# Allegro board OPT8241-CDK-EVM SB REV2P0V1.brd (continued)
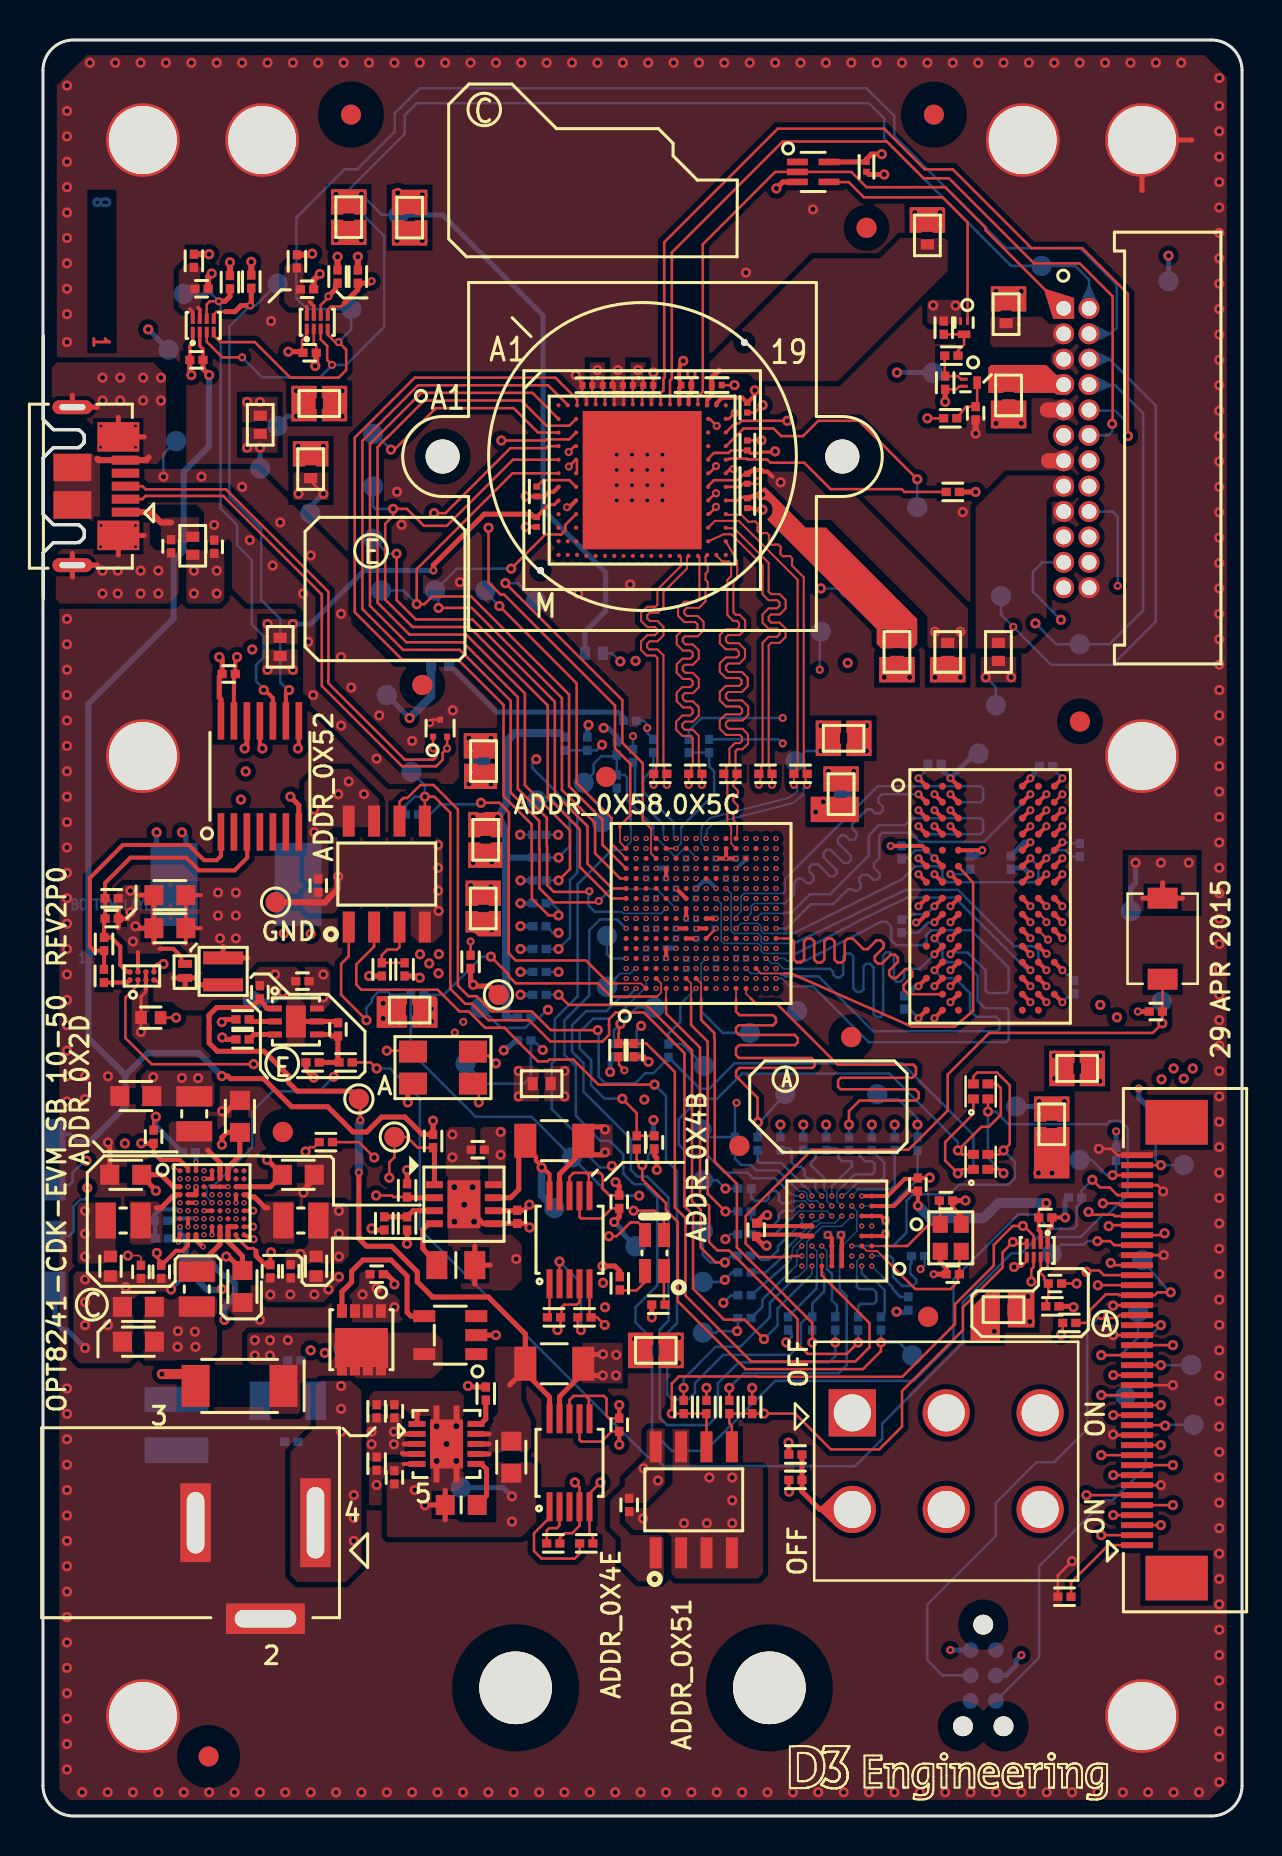
[diagram p0: board, top side]
## Routing (per net, layer and track width the routed paths; a pad name or vN(x,y) marks a point on that pad's centre or on a via; arc(x,y) is an arc through that point) (continued)
DDR2_DATA_15: length 18.9
  TOP w0.203: U7.C2 v2(44.61,50.29)
  SIG1 w0.082: v3(35.18,45.38) 34.93,45.63 34.93,45.99 35.08,46.13 37.12,46.13
  SIG1 w0.114: 37.12,46.13 38.8,46.13 43.35,50.69 44.01,50.69 44.22,50.89 44.22,51.26 44.45,51.49 46.8,51.49 46.97,51.31 46.97,50.86 46.8,50.68 45.57,50.68 45.57,50.69 45,50.69 v2(44.61,50.29)
DDR2_DM_0: length 19.3
  TOP w0.082: U8.P3 35.93,42.13 37.09,42.13
  TOP w0.127: U7.F3 46.54,46.67 46.54,40.27 45.62,39.47 45.49,39.47 43.48,39.47 37.43,42.13 37.09,42.13
DDR2_DM_1: length 19
  TOP w0.203: U7.B3 v2(45.41,51.09)
  BOTTOM w0.082: v3(34.68,44.88) 34.68,45 34.93,45.25 34.93,45.99 35.08,46.13 37.03,46.13 37.13,46.24 37.13,46.85 37.39,47.11
  BOTTOM w0.127: v2(45.41,51.09) 45.81,50.69 46.91,50.69 47.04,50.82 47.04,51.37 46.91,51.49 41.77,51.49 37.39,47.11
DDR2_DQS_0: length 18.8
  TOP w0.203: U7.F7 v2(49.41,47.89)
  BOTTOM w0.082: 37.09,44.13 36.08,44.13 35.93,44.28 35.93,44.49 35.78,44.63 34.93,44.63 v3(34.68,44.38)
  BOTTOM w0.127: 37.09,44.13 37.54,44.13 43.01,46.86 43.64,47.49 44.77,47.49 45.01,47.26 45.01,46.93 45.24,46.69 49.57,46.69 49.59,46.71 49.65,46.71 49.81,46.86 49.81,47.49 v2(49.41,47.89)
DDR2_DQS_1: length 18.6
  TOP w0.203: U7.B7 v2(49.41,51.09)
  BOTTOM w0.082: v3(36.68,44.38) 36.8,44.38
  BOTTOM w0.127: v2(49.41,51.09) 49.41,51.04 47.09,48.71 43.87,48.71 43.41,49.17 41.99,49.17 41.86,49.03 41.86,47.92 41.58,47.64 41.58,47.43 41.87,47.13 41.87,46.95 41.74,46.82 41.53,46.82 41.29,47.07 41.01,47.07 40.86,46.92 40.86,46.71 40.93,46.64 40.93,46.43 40.78,46.28 40.57,46.28 40.5,46.35 40.29,46.35 39.53,45.59 38.42,45.59 37.21,44.38 36.8,44.38
DEMOD_CLK: length 38.6
  TOP w0.082: 28.71,48.35 29.07,48 29.07,48 U8.A14
  TOP w0.127: v1(22.84,60.51) 26.71,56.64 26.71,51.65 28.46,49.9 28.46,48.61 28.71,48.35 ; U3.C19 34.62,69.64 34.83,69.64 34.96,69.77 v1(37.25,69.77)
  SIG1 w0.114: v1(22.84,60.51) 24.02,60.51 27.94,64.43 30.92,64.43 32.19,65.7 32.19,66.84 35.11,69.77 v1(37.25,69.77)
  BOTTOM w0.127: TP6.1 22.14,61.2 v1(22.84,60.51)
DM: length 64.5
  TOP w0.127: U5.2 v2(20.22,53.38) 20,53.16 20,52.81 19.68,52.49 17.97,52.49 13.95,56.51 13.95,56.92 13.95,61.08 9.02,66.01 5.14,66.01 4.98,65.85 U4.2
  SIG2 w0.127: v3(41.47,29.5) 41.47,30.07 41.62,30.21 41.62,31.6 41.25,31.96 35.36,31.96 33.31,34.02 29.86,34.02 27.22,36.66 27.22,37.65 25.52,39.35 24.9,39.35 24.76,39.35 22.54,41.57 22.54,41.95 21.9,42.59 21.8,42.59 20.76,43.62 20.76,49.57 20.08,50.26 20.08,53.24 v2(20.22,53.38)
DP: length 64.5
  TOP w0.127: U5.1 v2(19.52,53.38) 19.67,53.24 19.67,52.95 19.54,52.82 18.1,52.82 14.28,56.64 14.28,56.78 14.28,61.22 9.16,66.34 5.14,66.34 4.98,66.5 U4.3
  SIG2 w0.127: v3(40.97,29.5) 40.97,30.03 41.29,30.35 41.29,31.46 41.12,31.63 35.22,31.63 33.99,32.87 33.71,32.87 33.44,33.14 33.44,33.42 33.17,33.69 32.72,33.69 32.58,33.55 32.2,33.55 32.06,33.69 31.68,33.69 31.54,33.55 31.16,33.55 31.02,33.69 30.64,33.69 30.5,33.55 30.12,33.55 29.98,33.69 29.73,33.69 26.89,36.52 26.89,37.52 25.39,39.02 25.03,39.02 24.62,39.02 22.21,41.44 22.21,41.82 21.77,42.26 21.66,42.26 20.43,43.49 20.43,49.44 19.74,50.12 19.74,53.16 v2(19.52,53.38)
EN: length 41.2
  TOP w0.203: U16.5 18.04,17.6
  SIG1 w0.114: v1(16.7,16.55) 21.27,11.98 45.02,11.98 47.68,14.65 47.68,17.67 SW2.2
ENZ: length 46.9
  TOP w0.127: R23.1 17.53,30.96 17.46,31.03 v1(16.67,31.03)
  TOP w0.254: U12.2 18.26,30.92 R23.1
  SIG1 w0.114: SW2.5 42.61,12.74 27.51,12.74 22.75,17.51 22.75,19.65 21.47,20.93 19.16,20.93 15.43,24.66 15.43,27.6 15.81,27.98 15.81,30.17 v1(16.67,31.03)
ENZ1: length 3.4
  TOP w0.254: U10.4 14.36,39.08 14.44,39 C24.1 14.76,37.73 R18.2 R17.1
EXT_I2C_SLV_SCL_3V3: length 12.6
  TOP w0.127: v1(49.46,26.72) 49.46,27.34 49.57,27.45 49.57,27.62 49.57,27.63 U15.6 ; v1(53.52,32.05) J2.38
  SIG2 w0.114: v1(53.52,32.05) 53.52,30.95 53.6,30.87 53.6,30.4 53.27,30.07 53.08,30.07 51.95,28.94 51.66,28.94 49.59,26.87 49.59,26.86 v1(49.46,26.72)
  BOTTOM w0.127: R105.2 53.7,32.22 v1(53.52,32.05) 53.23,32.05 52.46,32.81 TP47.1
EXT_I2C_SLV_SDA_3V3: length 16.2
  TOP w0.127: J2.39 v1(55.94,32.55) ; U15.5 49.22,27.74 48.95,27.47 48.61,27.47 v1(48.6,27.45)
  SIG2 w0.114: v1(48.6,27.45) 48.6,27.45 49.46,27.45 51.75,29.74 51.75,30.44 51.95,30.64 51.95,32.05 52.58,32.68 53.78,32.68 54.03,32.43 55.82,32.43 v1(55.94,32.55)
  BOTTOM w0.127: R106.2 55.67,32.81 v1(55.94,32.55) 57.07,32.55 TP48.1
EXT_TIC_CONF_DONE_OUT: length 61.8
  TOP w0.127: v1(56.12,29.14) 56.03,29.05 J2.32
  SIG1 w0.082: 32.93,49.38 32.93,48.28 32.93,48.28 32.93,48.13 v3(32.68,47.88)
  SIG1 w0.114: 32.93,49.38 32.93,50.78 33.59,51.43 33.59,52.44 34.26,53.11 37.25,53.11 38.03,53.89 42.1,53.89 42.39,54.19 49.42,54.19 52.91,50.7 v1(52.91,40.56)
  SIG2 w0.114: v1(52.91,40.56) 52.91,39.27 53.84,38.34 53.84,35.72 56.87,32.68 56.87,29.89 v1(56.12,29.14)
  BOTTOM w0.082: v3(32.68,47.88) 32.68,47.94 32.27,48.35 32.05,48.35 31.71,48.01 31.6,48.01 30.54,49.07 30.54,49.38
  BOTTOM w0.127: TP23.1 27.55,52.16 27.55,52.61 27.93,52.98 28.64,52.98 R49.2 R50.2 29.1,52.06 29.22,51.94 29.22,51.05 29.22,51.04 29.22,50.8 30.54,49.48 30.54,49.38
EXT_TIC_CONFIGZ_IN: length 47.5
  TOP w0.127: J2.35 53.9,30.55 53.8,30.64 53.16,30.64 53.16,30.64 v1(53.04,30.64)
  SIG1 w0.082: 28.71,43.63 31.78,43.63 31.93,43.49 31.93,43.28 32.08,43.13 32.43,43.13 v3(32.68,43.38)
  SIG1 w0.114: v2(34.7,35.67) 34.7,33.77 35.59,32.88 43.49,32.88 44.46,33.85 46.01,33.85 47.5,32.36 47.5,31.9 47.83,31.57 48.3,31.57 48.3,31.58 51.43,31.58 52.14,30.86 52.81,30.86 v1(53.04,30.64) ; 28.71,43.63 27.57,43.63 26.15,42.21 v1(25.8,42.21)
  SIG2 w0.082: 33.75,40.89 33.93,41.07 33.93,42.49 33.78,42.63 33.58,42.63 33.43,42.78 33.43,42.99 33.28,43.13 32.93,43.13 v3(32.68,43.38)
  SIG2 w0.114: 33.75,40.89 32.81,39.94 32.81,36.13 33.78,35.16 34.2,35.16 v2(34.7,35.67)
  BOTTOM w0.127: v2(34.7,35.67) 34.63,35.59 R67.2 33.34,33.95 TP21.1 ; R58.2 v1(25.8,42.21)
EXT_TIC_DATA_0_IN: length 51.9
  TOP w0.082: 32.93,40.89 32.93,41.63 U8.H2
  TOP w0.127: v1(38.5,23.68) 38.5,24.66 34.72,28.43 34.72,31.61 33.62,32.72 33.62,38.87 33.59,38.9 33.59,39.16 32.93,39.82 32.93,40.89 ; v1(52.76,28.75) 53.4,28.75 53.6,28.55 J2.31
  SIG1 w0.114: v1(38.5,23.68) 36.89,25.29 36.89,31.49 37.16,31.76 43.34,31.76 44.89,30.21 49.13,30.21 50.96,28.38 52.4,28.38 v1(52.76,28.75)
  BOTTOM w0.127: TP18.1 50.94,28.57 52.08,28.57 52.12,28.62 52.13,28.62 52.26,28.75 v1(52.76,28.75) ; R86.2 v1(38.5,23.68)
EXT_TIC_DCLK_IN: length 61.1
  TOP w0.127: J2.29 53.54,27.55 v1(53.43,27.66)
  SIG1 w0.082: v3(32.68,41.38) 32.56,41.26 32.56,40.76 31.69,39.89
  SIG1 w0.114: v1(53.43,27.66) 52.84,27.66 52.68,27.81 52.37,27.81 52.33,27.84 49.55,27.84 49.35,28.04 45.14,28.04 43.05,30.14 41.75,31.43 37.79,31.43 37.35,30.99 37.35,26.18 39.06,24.47 39.06,23.44 37.7,22.08 31.58,22.08 31.24,22.41 31.24,24.29 31.65,24.69 31.65,39.84 31.69,39.89
  BOTTOM w0.082: v3(32.68,41.38) 32.19,40.89
  BOTTOM w0.127: 32.19,40.89 31.89,40.59 31.89,39.71 31.3,39.12 R63.2 31.99,38.6 TP20.1
EXT_TIC_INIT_DONE_OUT: length 62.3
  TOP w0.127: v1(56.43,26.19) 55.77,26.19 55.63,26.05 J2.26 53.83,26.05 53.79,26.09 53.19,26.09 52.38,25.28 52.38,24.8 52.23,24.66 R32.2
  SIG1 w0.082: v3(32.18,48.88) 31.81,49.25 31.81,49.38
  SIG1 w0.114: v1(53.74,39.94) 53.74,40.85 53.28,41.31 53.28,50.85 49.57,54.56 43.11,54.56 42.51,55.16 38.67,55.16 37.78,54.27 34.22,54.27 31.8,51.85 31.8,49.39 31.81,49.38
  SIG2 w0.114: v1(56.43,26.19) 56.43,27.59 56.5,27.66 56.65,27.81 56.65,27.82 57.24,28.41 57.24,33.11 54.29,36.06 54.29,39.39 v1(53.74,39.94)
  BOTTOM w0.127: TP29.1 56.38,26.19 v1(56.43,26.19)
EXT_TIC_STATUSZ_OUT: length 55.4
  TOP w0.127: J2.33 53.38,29.55 v1(53.33,29.5) ; v1(25.8,41.07) 26.31,40.56 30.19,40.56 32.48,38.27 32.48,30.74 32.91,30.31 32.91,28.43 33.66,27.68 v1(34.12,27.68)
  SIG1 w0.082: 28.71,43.2 28.81,43.3 29.91,43.3 30.01,43.2 30.08,43.13 31.43,43.13 v3(31.68,42.88)
  SIG1 w0.114: v1(34.12,27.68) 34.66,27.68 35.09,28.11 35.09,30.21 37.01,32.13 43.78,32.13 44.14,32.49 44.63,32.49 45.55,31.57 46.79,31.57 47.52,30.84 49.02,30.84 50.5,29.37 51.38,29.37 51.51,29.5 v1(53.33,29.5) ; v1(25.8,41.07) 27.93,43.2 28.71,43.2
  BOTTOM w0.127: R59.2 v1(25.8,41.07) ; TP26.1 33.02,28.04 33.38,27.68 v1(34.12,27.68) 34.47,28.03 R80.2
FSC: length 2.5
  TOP w0.127: U2.3 46.74,70.55 C7.1 46.19,70.48 R90.1
FX2_ADDR_0: length 4.8
  BOTTOM w0.082: 37.44,28.61 38.58,29.75 38.75,29.75 38.97,29.97 v3(38.97,30)
  BOTTOM w0.127: 37.44,28.61 37.16,28.33 37.16,28.13 36.67,27.63 36.53,27.52 36.16,27.18 R82.1
FX2_ADDR_1: length 4.7
  BOTTOM w0.082: 37.44,27.27 37.72,27.55 37.72,28.25 v3(37.97,28.5)
  BOTTOM w0.127: 37.44,27.27 35.99,25.83 35.99,25.46 R84.1
FX2_DQ_0: length 4.1
  BOTTOM w0.082: v3(40.47,31) 40.81,31.34
  BOTTOM w0.127: R74.2 42.62,31.54 42.42,31.34 40.81,31.34
FX2_DQ_1: length 6.4
  BOTTOM w0.076: 37.52,28.41 37.45,27.86 37.29,27.67
  BOTTOM w0.082: v3(39.97,30) 39.62,29.65 38.89,29.65 38.67,29.44 38.55,29.44 37.52,28.41
  BOTTOM w0.127: 37.29,27.67 R83.2
FX2_DQ_2: length 4.1
  BOTTOM w0.082: 40.55,31.48 40.17,31.1 40.07,31.1 v3(39.97,31)
  BOTTOM w0.127: R73.2 42.1,32.67 42.1,31.95 41.84,31.69 40.76,31.69 40.55,31.48
FX2_DQ_3: length 5.2
  BOTTOM w0.082: v3(39.97,30.5) 39.72,30.75 39.72,31.2 40.01,31.48
  BOTTOM w0.127: R72.2 40.75,33.29 40.88,33.16 40.88,33 41.13,32.74 41.48,32.74 41.62,32.61 41.62,32.21 41.49,32.09 40.61,32.09 40.01,31.48
FX2_DQ_4: length 3.9
  BOTTOM w0.082: 39.47,31.48 v3(39.47,31)
  BOTTOM w0.127: R71.2 39.3,33.4 39.68,33.4 39.8,33.27 39.8,32.93 39.99,32.74 40.41,32.74 40.48,32.67 40.48,32.49 40.23,32.25 39.47,31.48
FX2_DQ_5: length 3.9
  BOTTOM w0.082: v3(39.47,30.5) 39.22,30.75 39.22,31.2 39.09,31.33 39.09,31.48
  BOTTOM w0.127: R70.2 38.08,33.33 38.53,33.33 38.66,33.2 38.66,32.91 38.44,32.68 38.44,32.53 38.64,32.32 38.66,32.32 39.09,31.89 39.09,31.48
FX2_DQ_6: length 4.6
  BOTTOM w0.082: 37.44,29.86 37.83,30.25 39.22,30.25 v3(39.47,30)
  BOTTOM w0.127: R79.2 35.44,29.09 36.64,29.09 37.4,29.86 37.44,29.86
FX2_DQ_7: length 3.9
  BOTTOM w0.082: v3(38.97,31) 38.65,31.33 38.65,31.48
  BOTTOM w0.127: R69.2 37.02,33.4 37.34,33.4 37.46,33.27 37.46,32.68 37.67,32.47 37.94,32.47 38.11,32.29 38.11,32.03 38.28,31.86 38.54,31.86 38.65,31.75 38.65,31.48
FX2_FLAG_0: length 4.1
  BOTTOM w0.082: v3(38.47,31) 38.47,31.12 38.39,31.21 38.39,31.24 38.15,31.48 38.08,31.48 38.07,31.48
  BOTTOM w0.127: 38.07,31.48 37.96,31.6 37.96,31.64 36.94,32.66 35.84,32.66 35.76,32.75 R68.1
FX2_FLAG_1: length 4.5
  BOTTOM w0.082: v3(38.47,30.5) 38.39,30.5 38.14,30.75 37.63,30.75 37.6,30.72 37.44,30.72
  BOTTOM w0.127: 37.44,30.72 37.36,30.64 36.98,30.64 36.83,30.79 36.83,31.1 36.68,31.25 36.45,31.25 36.32,31.13 36.32,30.89 36.2,30.76 35.61,30.76 35.44,30.93 R77.1
GPIO_0: length 2
  BOTTOM w0.127: TP11.1 28.22,43.1 28.44,42.88 v3(29.18,42.88)
GPIO_1: length 1.8
  BOTTOM w0.082: 28.71,41.96 28.89,42.13 29.38,42.13 29.63,42.38 v3(29.68,42.38)
  BOTTOM w0.127: 28.71,41.96 TP12.1
HA: length 14
  TOP w0.203: R11.2 3.06,42.35 R91.1 2.55,43.27 2.35,43.48 2.35,46.91 4,48.56 7.3,48.56 8.06,47.8 8.7,47.8 8.9,48 U21.1
HD_QD: length 35.5
  TOP w0.127: v1(17.7,63.12) 17.7,60.8 18.66,59.84 21.49,59.84 25.61,55.72 25.61,51.13 27.25,49.49 27.25,47.62 28.48,46.38 U8.A11 ; U3.D1 25.27,68.5 25.17,68.4 23.39,68.4 20.14,65.15 v1(19.57,65.15)
  SIG1 w0.114: v1(19.57,65.15) 17.7,63.28 v1(17.7,63.12)
  BOTTOM w0.127: v1(17.7,63.12) 17.26,63.12 TP3.1
I2C_AUX_SCL: length 101.6
  SIG1 w0.082: v3(30.68,44.88) 30.43,45.13 28.71,45.13
  SIG1 w0.114: v2(48.55,59.46) 47.98,58.89 47.06,58.89 46.16,59.79 27.8,59.79 24.12,56.12 24.12,51.12 25.08,50.17 25.08,44.88 v1(25.8,44.16) ; v1(25.8,44.16) 24.47,42.84 24.47,41.99 24.11,41.63 23.62,41.63 23.3,41.32 23.3,38.9 23.62,38.58 23.62,37.87 23.24,37.49 23.24,35.42 22.95,35.12 20.1,35.12 18.47,36.75 15.69,36.75 15.47,36.97 v1(14.55,36.97) ; v1(25.8,44.16) 26.51,44.87 28.18,44.87 28.44,45.13 28.71,45.13
  BOTTOM w0.076: v3(8.46,30.67) 8.46,30.67 8.18,30.95 8.18,31.18 8.19,31.19 8.19,31.41 8.31,31.54
  BOTTOM w0.127: TP67.1 47.94,60.08 v2(48.55,59.46) 50.44,57.57 53.53,57.57 55.69,59.73 55.69,70.53 53.37,72.85 J1.6 ; R56.1 25.51,44.16 v1(25.8,44.16) ; v1(14.55,36.97) 13.82,36.24 11.49,36.24 10.47,35.22 10.47,33.44 8.57,31.54 8.31,31.54
I2C_AUX_SDA: length 99.9
  SIG1 w0.081: 9.99,28.6 9.36,29.24 9.36,29.77 8.86,30.27 v3(8.86,30.67)
  SIG1 w0.082: v3(30.18,44.88) 29.93,44.63 28.71,44.63
  SIG1 w0.114: v1(24.69,52.84) 24.69,56.06 27.99,59.36 40.87,59.36 41.75,58.47 49.08,58.47 49.66,59.05 v1(49.66,59.64) ; 28.71,44.63 28.58,44.5 26.95,44.5 v1(25.8,43.35) 25.62,43.35 24.87,42.6 24.87,41.23 24.07,40.44 24.07,37.79 24.7,37.16 24.7,35.2 23.14,33.64 22.68,33.64 22.56,33.51 19.93,33.51 18.32,35.12 17.43,35.12 17.2,35.35 14.46,35.35 12.57,33.46 12.57,33.11 11.22,31.76 11.22,28.8 10.72,28.3 10.3,28.3 9.99,28.6
  BOTTOM w0.127: v1(49.66,59.64) 50.71,58.59 TP68.1 53.35,58.59 55.05,60.29 55.05,70.15 53.65,71.54 52.38,71.54 J1.8 ; R57.1 v1(25.8,43.35) 26.34,43.9 26.34,43.9 26.37,43.93 26.37,46.8 26.74,47.17 26.74,50.16 24.5,52.4 24.5,52.65 v1(24.69,52.84)
I2C_SLV_SCL: length 268
  TOP w0.127: v2(14.46,72.56) 14.22,72.8 14.22,73.51 13.9,73.83 U23.3 ; U22.3 8.2,73.72 8.98,72.94 v2(9.97,72.94) ; U18.6 R36.1 R35.1 v1(31.47,20.12) 31.47,21.63 31.49,21.65 31.82,21.98 35.72,21.98 35.74,21.96 43,21.96 45.64,24.6 45.64,25.59 47.58,27.53 47.58,28.55 48.53,29.51 v1(49.03,29.51) 49.08,29.51 49.57,29.01 U15.3 ; J2.23 v1(55.94,24.55)
  SIG1 w0.081: v3(8.46,31.07) 8.03,31.07 7.91,31.19 7.14,31.19 7.12,31.21 6.8,31.21 6.5,31.52 6.5,31.58
  SIG1 w0.082: 31.69,40.89 31.69,41.38 v3(31.68,41.38)
  SIG1 w0.114: 6.5,31.58 5.25,32.83 3.21,32.83 2.6,33.44 1.96,33.44 1.61,33.09 1.61,32.02 v1(2.22,31.41) 2.73,30.9 2.73,27.06 4.29,25.5 12.76,25.5 13.01,25.76 13.01,26.36 14.2,27.55 14.2,31.35 16.52,33.67 18.17,33.67 19.15,32.69 19.15,29.55 22.37,26.33 27.24,26.33 v1(28.13,25.44) 30.19,25.44 31.28,26.53 31.28,40.26 31.69,40.66 31.69,40.89
  SIG2 w0.114: v1(31.47,20.12) 30.23,21.35 30.23,24.08 28.87,25.44 v1(28.13,25.44) ; v1(49.03,29.51) 48.54,29.51 47.65,28.62 47.65,25.65 49.15,24.16 49.95,24.16 50.43,24.63 51.29,24.63 51.44,24.48 53.19,24.48 53.32,24.61 53.79,24.61 53.86,24.55 v1(55.94,24.55) 56.38,24.55 57.24,25.4 57.24,25.42 58.1,26.28 58.1,71.42 54.13,75.39 J1.2
  BOTTOM w0.127: J1.2 52.34,76.83 51.66,77.51 TP49.1 48.45,77.51 42.1,83.86 42.1,84.88 41.33,85.64 18.7,85.64 18.1,85.05 18.1,84.12 15.36,81.38 15.36,81.33 15.36,80.86 15.36,80.86 15.36,80.72 17.08,79.01 17.08,74.47 15.17,72.56 v2(14.46,72.56) 14.46,72.54 13.86,71.94 10.97,71.94 v2(9.97,72.94) ; J4.3 1.31,29 1.54,29.23 1.54,30.5 1.87,30.83 2.08,30.83 2.22,30.97 v1(2.22,31.41) ; v1(55.94,24.55) 55.18,23.78 55.18,17.44 53.53,15.79 53.15,15.79 49.84,12.49 49.84,7.92 J6.5
I2C_SLV_SCL_3V3_POWER: length 26.8
  TOP w0.127: U22.6 8.2,75.59 8.35,75.75 v2(8.8,75.75)
  TOP w0.203: U21.10 11.5,55.91 11.11,56.3 v1(11.05,56.3)
  TOP w0.254: R92.1 9.36,75.99 9.12,75.75 v2(8.8,75.75)
  BOTTOM w0.127: v1(11.05,56.3) 11.05,56.37 10.66,56.75 10.66,57.56 11.05,57.94 11.05,58.99 10.45,59.58 10.45,62.8 9.71,63.54 9.71,64.56 8.89,65.38 8.89,75.66 v2(8.8,75.75) 8.43,76.12 TP52.1
I2C_SLV_SCL_5V: length 82.9
  TOP w0.127: U14.5 27.35,25.01 R31.2 27.73,24.94 v1(28.11,24.55) ; v1(27.9,16.68) 27.35,16.13 U17.5 27.35,14.16 27.52,13.99 R45.2 ; v2(14.28,75.99) 14.28,75.94 13.9,75.55 U23.6
  TOP w0.254: R96.1 14.64,76.55 14.64,76.34 v2(14.28,75.99)
  SIG1 w0.114: v1(27.9,16.68) 27.45,17.13 27.45,23.43 28.11,24.09 v1(28.11,24.55) ; v2(14.28,75.99) 12.84,74.55 12.84,72.99 12.84,72.98 12.84,71.93 13.33,71.44 13.33,67.68 14.6,66.41 14.6,61.63 13.15,60.19 13.15,59.4 13.04,59.28 13.03,59.28 12.7,58.95 12.7,58.17 13.14,57.73 13.14,56.47 12.96,56.28 12.96,54.35 13.33,53.98 13.33,53.15 13.32,53.14 13.32,51.02 12.65,50.35 12.65,44.06 12.79,43.92 12.79,43.91 13.12,43.58 13.14,43.58 13.66,43.05 16.13,43.05 18.86,40.32 18.86,39.54 18.88,39.51 18.88,39.5 19.21,39.17 19.23,39.17 19.24,39.16 20.59,39.16 v2(20.61,39.18)
  SIG2 w0.114: v2(20.61,39.18) 21.66,38.12 21.66,37.23 22.46,36.43 22.46,34.68 22.22,34.44 22.22,26.45 25.55,23.13 26.68,23.13 v1(28.11,24.55)
I2C_SLV_SDA: length 273.2
  TOP w0.127: v1(52.95,25.05) 53.11,25.05 53.26,24.9 53.73,24.9 53.87,25.05 J2.24 ; U23.4 14.25,74.07 14.62,73.7 v2(14.79,73.7) 15.17,73.32 15.17,72.31 14.79,71.93 12.38,71.93 10.6,73.7 8.87,73.7 8.55,74.03 U22.4 ; U15.4 48.7,28.61 48.61,28.7 v1(48.54,28.7) 48.02,28.18 48.02,27.42 46.03,25.44 46.03,24.3 42.99,21.25 42.99,19.47 41.84,18.33 39.43,18.33 37.64,20.12 v1(36.08,20.12) R38.1 R37.1 34.34,19.63 34.47,19.5 U18.5
  SIG1 w0.081: v3(8.06,30.67) 8.06,30.72 7.83,30.95 7.06,30.95 7.02,30.98 6.56,30.98 6.5,30.92
  SIG1 w0.114: v1(30.09,35.83) 29.42,35.16 29.42,32.31 30.4,31.33 30.4,29.14 29.89,28.63 29.89,26.45 29.4,25.95 28.74,25.95 v1(28.03,26.66) 26.2,28.49 20.77,28.49 19.52,29.74 19.52,32.84 18.32,34.04 16.37,34.04 13.65,31.32 13.65,28.69 13.83,28.51 13.83,27.71 12.76,26.64 9.61,26.64 9.28,26.98 4.49,26.98 3.32,28.15 3.32,31.15 2.2,32.27 2.2,32.77 ; 2.2,32.77 v1(2.18,32.77) ; 2.2,32.77 2.64,32.77 3.11,32.3 4.63,32.3 4.95,31.98 4.95,30.97 5.27,30.65 6.24,30.65 6.42,30.84 6.42,30.85 6.5,30.92
  SIG2 w0.082: v3(31.68,41.88) 31.43,41.63 31.43,40.89
  SIG2 w0.114: v1(48.54,28.7) 48.02,28.19 48.02,26.09 48.72,25.39 49.72,25.39 50.39,26.05 51.78,26.05 52.13,25.7 52.13,25.16 52.24,25.05 v1(52.95,25.05) 52.95,25.72 53.32,26.08 55.43,26.08 55.89,25.62 56.66,25.62 57.61,26.57 57.61,33.85 55.41,36.06 55.41,37.74 57.61,39.94 57.61,45.74 56.77,46.58 56.77,48.63 57.22,49.08 57.22,71.02 54.13,74.12 J1.4 ; 31.43,40.89 31.43,36.37 30.89,35.83 v1(30.09,35.83) ; v1(28.03,26.66) 30.73,26.66 32.64,24.75 32.64,21.64 32.64,21.64 32.64,21.17 32.64,20.78 33.3,20.11 36.07,20.11 v1(36.08,20.12)
  BOTTOM w0.127: J4.2 1.31,31.54 1.48,31.71 1.48,32.16 2.09,32.77 v1(2.18,32.77) ; v1(52.95,25.05) 52.26,24.35 52.26,19.35 50.61,17.7 49.72,17.7 47.68,15.66 47.68,14.01 44.26,10.58 44.26,7.79 45.02,7.03 J6.4 ; v2(14.79,73.7) 15.43,74.34 TP50.1 13.23,75.35 12.68,75.9 12.68,79.93 15.09,82.34 15.71,82.34 17.6,84.23 17.6,85.14 18.86,86.4 41.21,86.4 42.6,85.01 42.6,83.99 48.19,78.4 51.91,78.4 53.73,76.58 53.73,74.42 53.43,74.12 J1.4
I2C_SLV_SDA_3V3_POWER: length 27.5
  TOP w0.127: 9.12,75.23 8.7,75.23 8.55,75.08 U22.5
  TOP w0.203: v1(12.32,56.3) 12.15,56.14 U21.9
  TOP w0.254: 9.12,75.23 9.61,75.23 9.92,75.53 v2(10.37,75.53) 10.42,75.58 R93.1
  BOTTOM w0.127: v1(12.32,56.3) 12.25,56.3 11.87,56.69 11.87,59.86 10.92,60.81 10.92,64.37 9.33,65.96 9.33,74.49 v2(10.37,75.53) 10.65,75.53 TP53.1
I2C_SLV_SDA_5V: length 76.9
  TOP w0.127: U14.4 26.85,25.7 26.71,25.57 26.08,25.57 25.95,25.44 25.95,24.99 R30.2 25.9,24.45 v1(25.75,24.3) ; 15.08,75.66 14.9,75.48 14.41,75.48 14.25,75.32 U23.5 ; R44.2 25.87,13.91 26.09,14.14 26.48,14.14 26.85,14.51 U17.4 26.85,16.45 v1(26.62,16.68)
  TOP w0.254: v2(16.44,76.75) 16.34,76.65 R97.1 15.76,76.33 15.08,75.66
  SIG1 w0.114: v2(16.44,76.75) 15.63,75.94 15.63,59.51 14.34,58.22 14.34,51.55 14.21,51.43 14.21,50.86 15.38,49.7 15.38,44.45 18.76,41.06 19.68,41.06 v2(21.03,39.71) ; v1(25.75,24.3) 25.75,17.55 v1(26.62,16.68)
  SIG2 w0.114: v2(21.03,39.71) 22.03,38.71 22.03,37.38 22.88,36.53 22.88,35.03 23.14,34.77 23.14,34.77 23.68,34.23 23.68,28.78 25.75,26.71 v1(25.75,24.3)
ILLUM_EN: length 30.6
  TOP w0.127: J1.1 47.18,79.29 47.18,79.42 45.14,81.45 41.21,81.45 40.45,82.21 U24.2 36.64,82.21 33.02,78.59 33.02,71.23 32.77,70.98 U3.A16
ILLUM_ENZ: length 12.7
  TOP w0.127: U1.1 46.27,79.69 45.02,80.94 41.08,80.94 40.32,81.7 39.34,81.7 U24.4
ILLUM_FB: length 44.4
  SIG1 w0.082: 28.71,49.19 29.37,49.19 v3(29.68,48.88)
  SIG1 w0.114: v2(53.78,61.51) 53.78,60.88 50.48,57.57 41.78,57.57 40.7,56.49 27.06,56.49 25.99,55.42 25.99,51.38 28.19,49.19 28.71,49.19
  BOTTOM w0.127: J1.18 53.53,65.23 53.78,64.97 v2(53.78,61.51)
ILLUM_N: length 78.5
  TOP w0.127: U3.A13 31.38,71.79 31.47,71.88 31.47,78.19 37.02,83.74 42.22,83.74 44.07,81.89 45.34,81.89 49.59,77.64 51.88,77.64 53.53,75.99 53.53,69.64 v1(53.5,69.62)
  SIG2 w0.114: v2(37.02,53.64) 38.55,55.17 49.73,55.17 55.4,60.84 55.4,61.15 55.4,61.15 55.4,68.69 54.48,69.62 v1(53.5,69.62)
  BOTTOM w0.127: v2(37.02,53.64) 36.81,53.84 R99.2 ; J1.12 53.31,69.04 53.5,69.24 v1(53.5,69.62)
ILLUM_P: length 81.4
  TOP w0.127: v1(54.29,69) 54.29,76.12 52,78.4 49.46,78.4 45.53,82.34 44.13,82.34 42.1,84.37 36.76,84.37 31.09,78.69 31.09,72.37 31.12,72.34 31.12,71.95 31.05,71.88 31.05,71.29 30.91,71.15 U3.A12
  SIG2 w0.114: v2(37.02,54.91) 37.65,55.54 49.58,55.54 55.03,60.99 55.03,68.26 v1(54.29,69)
  BOTTOM w0.127: v2(37.02,54.91) 32.95,54.91 32.32,54.27 R101.2 ; J1.10 52.38,70.27 53.65,70.27 54.29,69.64 v1(54.29,69)
ILLUM_REF: length 62.3
  TOP w0.127: R104.2 v2(21.4,43.73)
  SIG1 w0.082: 30.35,49.38 30.54,49.19 30.54,48.05 31.21,47.38 v3(31.68,47.38)
  SIG1 w0.114: 30.35,49.38 29.14,50.59 27.98,50.59 26.73,51.84 26.73,55.03 27.3,55.6 50.15,55.6 55.05,60.5 55.05,62.82 53.91,63.96 J1.20
  SIG2 w0.082: v3(31.68,47.38) 31.68,47.74 30.04,49.38
  SIG2 w0.114: v2(21.4,43.73) 21.4,44.49 23.05,46.14 23.05,47.13 25.55,49.63 29.78,49.63 30.04,49.38
ILLUM_SW_1: length 42.7
  SIG1 w0.082: v3(30.18,48.88) 29.68,49.38
  SIG1 w0.114: J1.22 53.88,62.69 54.54,62.03 54.54,60.88 49.72,56.05 27.23,56.05 26.36,55.18 26.36,51.6 28.39,49.57 29.49,49.57 29.68,49.38
ILLUM_SW_2: length 44.8
  SIG1 w0.082: 28.71,48.15 29.22,47.63 30,47.63 30.16,47.8 30.16,48.36 v3(30.18,48.38)
  SIG1 w0.114: v1(50.94,59.82) 50.94,59.26 49.78,58.1 41.3,58.1 40.7,58.7 27.91,58.7 25.25,56.04 25.25,50.97 28.03,48.19 28.07,48.19 28.12,48.15 28.71,48.15
  BOTTOM w0.127: v1(50.94,59.82) 49.54,61.21 49.54,62.23 50,62.69 J1.21
INIT_DONE: length 12.9
  TOP w0.127: R32.1 51.02,24.15 v1(50.94,24.06)
  SIG1 w0.082: v3(40.47,27.5) 41.02,26.96
  SIG1 w0.114: v1(50.94,24.06) 50.54,23.67 45.34,23.67 43.02,25.99 41.98,25.99 41.02,26.96
INT_PMIC: length 45
  SIG1 w0.081: 8.78,28.96 8.78,29.29 8.44,29.63 8.44,29.85 v3(8.46,29.87)
  SIG1 w0.082: 28.77,44.17 28.8,44.13 31.78,44.13 32.18,43.74 v3(32.18,43.38)
  SIG1 w0.114: 28.77,44.17 28.73,44.13 27.38,44.13 26.03,42.79 25.58,42.79 25.24,42.44 25.24,41.08 24.44,40.29 24.44,38.07 25.33,37.18 25.33,34.33 23.3,32.3 20.25,32.3 19.89,32.66 19.89,32.99 18.47,34.41 16.22,34.41 13.72,31.92 12.98,31.92 12.35,31.3 12.35,29.45 13.46,28.35 13.46,27.88 12.65,27.06 9.87,27.06 9.58,27.35 8.95,27.35 8.45,27.85 8.45,28.63 8.78,28.96
LED_2: length 17.5
  TOP w0.127: v1(28.32,28.99) 28.7,28.99 29.4,29.68 29.78,29.68 30.12,29.34 D3.3
  SIG1 w0.082: v3(29.18,42.38) 28.71,41.91
  SIG1 w0.114: 28.71,41.91 26.82,40.03 26.82,36.72 27.08,36.46 27.08,30.23 28.32,29 v1(28.32,28.99)
LED_3: length 16.1
  TOP w0.127: v1(29.55,30.27) 30.59,30.27 31.07,29.79 D3.2
  SIG1 w0.082: v3(29.18,41.88) 28.71,41.41 28.71,41.05
  SIG1 w0.114: v1(29.55,30.27) 29.21,30.27 27.56,31.92 27.56,36.51 27.19,36.88 27.19,39.53 28.71,41.05
MCLK: length 43.5
  TOP w0.127: v2(34.61,70.16) 34.32,69.86 U3.B19
  SIG1 w0.082: v3(29.68,47.88) 29.01,48.56 28.71,48.56
  SIG1 w0.114: 28.71,48.56 28.19,48.56 25.63,51.12 25.63,55.7 26.79,56.87 38.42,56.87 v2(38.87,57.32)
  SIG2 w0.114: v2(34.61,70.16) 34.6,70.15 33.33,70.15 32.48,69.3 32.48,63.71 v2(38.87,57.32)
  BOTTOM w0.127: TP8.1 38.87,59.17 v2(38.87,57.32)
PD6: length 18.9
  TOP w0.127: RN2.3 47.87,33.09 v1(48.06,33.28) 48.38,33.6 48.38,36.54 47.74,37.18 46.74,37.18 46.56,36.99 RN1.4
  BOTTOM w0.127: v1(48.06,33.28) 48.63,32.71 48.63,31.9 48.3,31.57 45.84,31.57 45.37,31.09 43.54,31.09 43.21,30.76 43.21,29.17 42.54,28.5 v3(40.47,28.5)
QPORT: length 3.2
  SIG1 w0.082: 30.68,40.89 v3(30.68,41.38)
  SIG1 w0.114: v1(29.93,39.51) 29.93,39.81 30.68,40.56 30.68,40.89
  BOTTOM w0.127: R65.1 29.71,39.29 v1(29.93,39.51)
SENS_GPO_0: length 47.4
  TOP w0.127: v2(27.81,45.76) 27.75,45.69 25.55,45.69 24.85,46.39 24.85,48.32 24.83,48.34 24.83,49.75 23.4,51.18 23.4,55.77 20.86,58.31 18.02,58.31 15.98,60.35 15.98,68.76 18.76,71.54 25.28,71.54 26.26,70.56 U3.A2
  BOTTOM w0.082: 28.71,46.36 30.71,46.36 v3(31.68,45.38)
  BOTTOM w0.127: 28.71,46.36 28.41,46.36 v2(27.81,45.76)
SENS_GPO_1: length 45.6
  TOP w0.127: U3.B1 24.5,71.16 18.92,71.16 16.36,68.61 16.36,60.51 18.18,58.69 21.02,58.69 23.76,55.95 23.76,51.36 25.21,49.91 25.21,48.49 25.23,48.48 25.23,46.55 25.57,46.21 27.3,46.21 v2(27.34,46.25)
  BOTTOM w0.082: v3(31.18,45.38) 30.93,45.13 29.06,45.13 28.98,45.21 28.71,45.21
  BOTTOM w0.127: v2(27.34,46.25) 27.34,46.02 27.29,45.97 27.29,45.54 27.62,45.21 28.71,45.21
SNS_ANA_TP1: length 8.9
  TOP w0.127: v2(33.68,65.46) 33.68,65.45 33.33,65.1 U3.J17
  SIG2 w0.114: v1(38.92,61.38) 37.76,61.38 v2(33.68,65.46)
  BOTTOM w0.127: TP35.1 v1(38.92,61.38)
SNS_ANA_TP2: length 13
  TOP w0.127: U3.D19 34.18,68.5 35.06,69.39 36.56,69.39 36.94,69 38.03,69 38.79,69.77 40.83,69.77 v1(43.75,66.85)
  BOTTOM w0.127: TP36.1 v1(43.75,66.85)
SYS_RESETZ: length 83.3
  TOP w0.127: R21.2 15.81,33.7 v1(16.58,32.93) ; v3(37.97,28) 37.44,28 37.39,27.95 35.84,27.95 35.16,28.62 35.16,30 38.48,33.32 43.31,33.32 45.27,35.28 45.27,37.08 47.35,39.16 55.53,39.16 v1(56.01,39.64) 56.01,39.77 56.02,39.77 C23.1 56.03,40.24 SW1.2